# KiCad board oibus-mini-CCC_PANEL.kicad_pcb (continued)
## Routing (per net, layer and track width the routed paths; a pad name or vN(x,y) marks a point on that pad's centre or on a via; arc(x,y) is an arc through that point)
+3V3: length 8055.1
  Top w0.15: U6#2.5 42.2,19.76 41.85,19.41 41.84,19.42 C10#2.2 38.2,18.11 38.9,17.41 43.01,17.41 44.61,19.01 ; U6#4.5 116.2,19.76 115.85,19.41 115.84,19.42 C10#4.2 112.2,18.11 112.9,17.41 117.01,17.41 118.61,19.01 ; U6#3.5 79.2,19.76 78.85,19.41 78.84,19.42 C10#3.2 75.2,18.11 75.9,17.41 80.01,17.41 81.61,19.01 ; U6#5.5 153.2,19.76 152.85,19.41 152.84,19.42 C10#6.2 149.2,18.11 149.9,17.41 154.01,17.41 155.61,19.01 ; U6#6.5 190.2,19.76 189.85,19.41 189.84,19.42 C10#5.2 186.2,18.11 186.9,17.41 191.01,17.41 192.61,19.01 ; U6#8.5 264.2,19.76 263.85,19.41 263.84,19.42 C10#8.2 260.2,18.11 260.9,17.41 265.01,17.41 266.61,19.01 ; U6#7.5 227.2,19.76 226.85,19.41 226.84,19.42 C10#7.2 223.2,18.11 223.9,17.41 228.01,17.41 229.61,19.01 ; U6#9.5 79.2,85.76 78.85,85.41 78.84,85.42 C10#12.2 75.2,84.11 75.9,83.41 80.01,83.41 81.61,85.01 ; U6#12.5 42.2,85.76 41.85,85.41 41.84,85.42 C10#13.2 38.2,84.11 38.9,83.41 43.01,83.41 44.61,85.01 ; U6#10.5 5.2,85.76 4.85,85.41 4.84,85.42 C10#9.2 1.2,84.11 1.9,83.41 6.01,83.41 7.61,85.01 ; U6#11.5 116.2,85.76 115.85,85.41 115.84,85.42 C10#11.2 112.2,84.11 112.9,83.41 117.01,83.41 118.61,85.01 ; U6#14.5 190.2,85.76 189.85,85.41 189.84,85.42 C10#14.2 186.2,84.11 186.9,83.41 191.01,83.41 192.61,85.01 ; U6#13.5 153.2,85.76 152.85,85.41 152.84,85.42 C10#10.2 149.2,84.11 149.9,83.41 154.01,83.41 155.61,85.01 ; U6#16.5 264.2,85.76 263.85,85.41 263.84,85.42 C10#16.2 260.2,84.11 260.9,83.41 265.01,83.41 266.61,85.01 ; U6#15.5 227.2,85.76 226.85,85.41 226.84,85.42 C10#15.2 223.2,84.11 223.9,83.41 228.01,83.41 229.61,85.01 ; U6#28.5 42.2,217.76 41.85,217.41 41.84,217.42 C10#29.2 38.2,216.11 38.9,215.41 43.01,215.41 44.61,217.01 ; U6#24.5 5.2,217.76 4.85,217.41 4.84,217.42 C10#24.2 1.2,216.11 1.9,215.41 6.01,215.41 7.61,217.01 ; U6#23.5 79.2,217.76 78.85,217.41 78.84,217.42 C10#28.2 75.2,216.11 75.9,215.41 80.01,215.41 81.61,217.01 ; U6#27.5 116.2,217.76 115.85,217.41 115.84,217.42 C10#27.2 112.2,216.11 112.9,215.41 117.01,215.41 118.61,217.01 ; U6#29.5 153.2,217.76 152.85,217.41 152.84,217.42 C10#26.2 149.2,216.11 149.9,215.41 154.01,215.41 155.61,217.01 ; U6#30.5 190.2,217.76 189.85,217.41 189.84,217.42 C10#30.2 186.2,216.11 186.9,215.41 191.01,215.41 192.61,217.01 ; U6#17.5 79.2,151.76 78.85,151.41 78.84,151.42 C10#20.2 75.2,150.11 75.9,149.41 80.01,149.41 81.61,151.01 ; U6#20.5 42.2,151.76 41.85,151.41 41.84,151.42 C10#21.2 38.2,150.11 38.9,149.41 43.01,149.41 44.61,151.01 ; U6#18.5 5.2,151.76 4.85,151.41 4.84,151.42 C10#17.2 1.2,150.11 1.9,149.41 6.01,149.41 7.61,151.01 ; U6#19.5 116.2,151.76 115.85,151.41 115.84,151.42 C10#19.2 112.2,150.11 112.9,149.41 117.01,149.41 118.61,151.01 ; U6#22.5 190.2,151.76 189.85,151.41 189.84,151.42 C10#22.2 186.2,150.11 186.9,149.41 191.01,149.41 192.61,151.01 ; U6#21.5 153.2,151.76 152.85,151.41 152.84,151.42 C10#18.2 149.2,150.11 149.9,149.41 154.01,149.41 155.61,151.01 ; U6#26.5 264.2,151.76 263.85,151.41 263.84,151.42 C10#25.2 260.2,150.11 260.9,149.41 265.01,149.41 266.61,151.01 ; U6#25.5 227.2,151.76 226.85,151.41 226.84,151.42 C10#23.2 223.2,150.11 223.9,149.41 228.01,149.41 229.61,151.01 ; U6#32.5 264.2,217.76 263.85,217.41 263.84,217.42 C10#32.2 260.2,216.11 260.9,215.41 265.01,215.41 266.61,217.01 ; U6#31.5 227.2,217.76 226.85,217.41 226.84,217.42 C10#31.2 223.2,216.11 223.9,215.41 228.01,215.41 229.61,217.01 ; 7.61,19.01 6.01,17.41 1.9,17.41 1.2,18.11 C10.2 4.84,19.42 4.85,19.41 5.2,19.76 U6.5
  Top w0.2: U8#2.24 60.39,41.82 59.9,42.31 59,42.31 58.4,41.71 58.4,40.9 C20#2.2 57.55,39.77 v2(57.55,38.11) ; D4#2.2 46.1,58.57 v2(46.1,58.81) ; v2(58.62,32.86) 58.62,32.43 57.8,31.61 56.83,31.61 C19#2.2 56.6,32.21 57.06,32.67 57.07,32.67 57.38,32.97 57.38,32.98 58.15,33.76 U8#2.36 ; C15#2.2 65.42,26.68 67.27,26.68 67.37,26.78 U7#2.3 ; v2(65.9,29.01) 66.1,28.81 67.2,28.81 67.59,29.2 C21#2.2 67.13,30.47 ; 67.13,30.47 66.85,30.47 65.89,31.43 U8#2.48 ; 67.13,30.47 67.13,30.83 v2(67.15,30.86) ; v2(68.1,32.21) 68.3,32.41 68.3,33.51 68.05,33.76 U8#2.1 ; D4#4.2 120.1,58.57 v2(120.1,58.81) ; U8#4.24 97.39,41.82 96.9,42.31 96,42.31 95.4,41.71 95.4,40.9 C20#4.2 94.55,39.77 v2(94.55,38.11) ; D4#3.2 83.1,58.57 v2(83.1,58.81) ; v2(95.62,32.86) 95.62,32.43 94.8,31.61 93.83,31.61 C19#4.2 93.6,32.21 94.06,32.67 94.07,32.67 94.38,32.97 94.38,32.98 95.15,33.76 U8#4.36 ; C15#4.2 102.42,26.68 104.27,26.68 104.37,26.78 U7#4.3 ; v2(132.62,32.86) 132.62,32.43 131.8,31.61 130.82,31.61 C19#3.2 130.6,32.21 131.06,32.67 131.07,32.67 131.38,32.97 131.38,32.98 132.15,33.76 U8#3.36 ; v2(102.9,29.01) 103.1,28.81 104.2,28.81 104.59,29.2 C21#4.2 104.13,30.47 ; 104.13,30.47 103.85,30.47 102.89,31.43 U8#4.48 ; 104.13,30.47 104.13,30.83 v2(104.15,30.86) ; v2(105.1,32.21) 105.3,32.41 105.3,33.51 105.05,33.76 U8#4.1 ; U8#3.24 134.39,41.82 133.9,42.31 133,42.31 132.4,41.71 132.4,40.9 C20#3.2 131.55,39.77 v2(131.55,38.11) ; 141.13,30.47 140.85,30.47 139.89,31.43 U8#3.48 ; 141.13,30.47 C21#3.2 141.59,29.2 141.2,28.81 140.1,28.81 v2(139.9,29.01) ; 141.13,30.47 141.13,30.83 v2(141.15,30.86) ; C15#3.2 139.42,26.68 141.27,26.68 141.37,26.78 U7#3.3 ; v2(142.1,32.21) 142.3,32.41 142.3,33.51 142.05,33.76 U8#3.1 ; v2(169.62,32.86) 169.62,32.43 168.8,31.61 167.82,31.61 C19#6.2 167.6,32.21 168.06,32.67 168.07,32.67 168.38,32.97 168.38,32.98 169.15,33.76 U8#6.36 ; D4#6.2 157.1,58.57 v2(157.1,58.81) ; D4#5.2 194.1,58.57 v2(194.1,58.81) ; U8#6.24 171.39,41.82 170.9,42.31 170,42.31 169.4,41.71 169.4,40.9 C20#6.2 168.55,39.77 v2(168.55,38.11) ; U7#6.3 178.37,26.78 178.27,26.68 176.42,26.68 C15#6.2 ; U8#6.48 176.89,31.43 177.85,30.47 178.13,30.47 ; 178.13,30.47 C21#6.2 178.59,29.2 178.2,28.81 177.1,28.81 v2(176.9,29.01) ; 178.13,30.47 178.13,30.83 v2(178.15,30.86) ; v2(179.1,32.21) 179.3,32.41 179.3,33.51 179.05,33.76 U8#6.1 ; U8#5.24 208.39,41.82 207.9,42.31 207,42.31 206.4,41.71 206.4,40.9 C20#5.2 205.55,39.77 v2(205.55,38.11) ; 215.13,30.47 214.85,30.47 213.89,31.43 U8#5.48 ; 215.13,30.47 C21#5.2 215.59,29.2 215.2,28.81 214.1,28.81 v2(213.9,29.01) ; 215.13,30.47 215.13,30.83 v2(215.15,30.86) ; v2(206.62,32.86) 206.62,32.43 205.8,31.61 204.82,31.61 C19#5.2 204.6,32.21 205.06,32.67 205.07,32.67 205.38,32.97 205.38,32.98 206.15,33.76 U8#5.36 ; v2(216.1,32.21) 216.3,32.41 216.3,33.51 216.05,33.76 U8#5.1 ; C15#5.2 213.42,26.68 215.27,26.68 215.37,26.78 U7#5.3 ; D4#8.2 268.1,58.57 v2(268.1,58.81) ; U8#7.24 245.39,41.82 244.9,42.31 244,42.31 243.4,41.71 243.4,40.9 C20#8.2 242.55,39.77 v2(242.55,38.11) ; U8#7.36 243.15,33.76 242.38,32.98 242.38,32.97 242.07,32.67 242.06,32.67 241.6,32.21 C19#7.2 241.82,31.61 242.8,31.61 243.62,32.43 v2(243.62,32.86) ; D4#7.2 231.1,58.57 v2(231.1,58.81) ; v2(280.62,32.86) 280.62,32.43 279.8,31.61 278.82,31.61 C19#8.2 278.6,32.21 279.06,32.67 279.07,32.67 279.38,32.97 279.38,32.98 280.15,33.76 U8#8.36 ; v2(250.9,29.01) 251.1,28.81 252.2,28.81 252.59,29.2 C21#7.2 252.13,30.47 ; 252.13,30.47 251.85,30.47 250.89,31.43 U8#7.48 ; 252.13,30.47 252.13,30.83 v2(252.15,30.86) ; 289.13,30.47 288.85,30.47 287.89,31.43 U8#8.48 ; 289.13,30.47 C21#8.2 289.59,29.2 289.2,28.81 288.1,28.81 v2(287.9,29.01) ; 289.13,30.47 289.13,30.83 v2(289.15,30.86) ; U8#8.24 282.39,41.82 281.9,42.31 281,42.31 280.4,41.71 280.4,40.9 C20#7.2 279.55,39.77 v2(279.55,38.11) ; v2(253.1,32.21) 253.3,32.41 253.3,33.51 253.05,33.76 U8#7.1 ; U7#8.3 252.37,26.78 252.27,26.68 250.42,26.68 C15#7.2 ; v2(290.1,32.21) 290.3,32.41 290.3,33.51 290.05,33.76 U8#8.1 ; C15#8.2 287.42,26.68 289.27,26.68 289.37,26.78 U7#7.3 ; v2(95.62,98.86) 95.62,98.43 94.8,97.61 93.83,97.61 C19#14.2 93.6,98.21 94.06,98.67 94.07,98.67 94.38,98.97 94.38,98.98 95.15,99.76 U8#13.36 ; D4#13.2 83.1,124.57 v2(83.1,124.81) ; D4#12.2 46.1,124.57 v2(46.1,124.81) ; U8#11.24 23.39,107.82 22.9,108.31 22,108.31 21.4,107.71 21.4,106.9 C20#10.2 20.55,105.77 v2(20.55,104.11) ; D4#9.2 9.1,124.57 v2(9.1,124.81) ; v2(21.62,98.86) 21.62,98.43 20.8,97.61 19.82,97.61 C19#11.2 19.6,98.21 20.06,98.67 20.07,98.67 20.38,98.97 20.38,98.98 21.15,99.76 U8#11.36 ; C15#11.2 28.42,92.68 30.27,92.68 30.37,92.78 U7#10.3 ; v2(58.62,98.86) 58.62,98.43 57.8,97.61 56.83,97.61 C19#9.2 56.6,98.21 57.06,98.67 57.07,98.67 57.38,98.97 57.38,98.98 58.15,99.76 U8#9.36 ; v2(28.9,95.01) 29.1,94.81 30.2,94.81 30.59,95.2 C21#11.2 30.13,96.47 ; 30.13,96.47 29.85,96.47 28.89,97.43 U8#11.48 ; 30.13,96.47 30.13,96.83 v2(30.15,96.86) ; v2(31.1,98.21) 31.3,98.41 31.3,99.51 31.05,99.76 U8#11.1 ; D4#11.2 120.1,124.57 v2(120.1,124.81) ; U8#13.24 97.39,107.82 96.9,108.31 96,108.31 95.4,107.71 95.4,106.9 C20#14.2 94.55,105.77 v2(94.55,104.11) ; U8#9.24 60.39,107.82 59.9,108.31 59,108.31 58.4,107.71 58.4,106.9 C20#9.2 57.55,105.77 v2(57.55,104.11) ; U7#14.3 104.37,92.78 104.27,92.68 102.42,92.68 C15#13.2 ; U8#13.48 102.89,97.43 103.85,96.47 104.13,96.47 ; 104.13,96.47 C21#13.2 104.59,95.2 104.2,94.81 103.1,94.81 v2(102.9,95.01) ; 104.13,96.47 104.13,96.83 v2(104.15,96.86) ; v2(105.1,98.21) 105.3,98.41 105.3,99.51 105.05,99.76 U8#13.1 ; U8#10.24 134.39,107.82 133.9,108.31 133,108.31 132.4,107.71 132.4,106.9 C20#13.2 131.55,105.77 v2(131.55,104.11) ; 141.13,96.47 140.85,96.47 139.89,97.43 U8#10.48 ; 141.13,96.47 C21#10.2 141.59,95.2 141.2,94.81 140.1,94.81 v2(139.9,95.01) ; 141.13,96.47 141.13,96.83 v2(141.15,96.86) ; v2(132.62,98.86) 132.62,98.43 131.8,97.61 130.82,97.61 C19#10.2 130.6,98.21 131.06,98.67 131.07,98.67 131.38,98.97 131.38,98.98 132.15,99.76 U8#10.36 ; 67.13,96.47 66.85,96.47 65.89,97.43 U8#9.48 ; 67.13,96.47 C21#9.2 67.59,95.2 67.2,94.81 66.1,94.81 v2(65.9,95.01) ; 67.13,96.47 67.13,96.83 v2(67.15,96.86) ; C15#9.2 65.42,92.68 67.27,92.68 67.37,92.78 U7#9.3 ; v2(68.1,98.21) 68.3,98.41 68.3,99.51 68.05,99.76 U8#9.1 ; v2(142.1,98.21) 142.3,98.41 142.3,99.51 142.05,99.76 U8#10.1 ; C15#10.2 139.42,92.68 141.27,92.68 141.37,92.78 U7#13.3 ; D4#14.2 194.1,124.57 v2(194.1,124.81) ; U8#12.24 171.39,107.82 170.9,108.31 170,108.31 169.4,107.71 169.4,106.9 C20#12.2 168.55,105.77 v2(168.55,104.11) ; U8#12.36 169.15,99.76 168.38,98.98 168.38,98.97 168.07,98.67 168.06,98.67 167.6,98.21 C19#12.2 167.82,97.61 168.8,97.61 169.62,98.43 v2(169.62,98.86) ; D4#10.2 157.1,124.57 v2(157.1,124.81) ; v2(206.62,98.86) 206.62,98.43 205.8,97.61 204.82,97.61 C19#13.2 204.6,98.21 205.06,98.67 205.07,98.67 205.38,98.97 205.38,98.98 206.15,99.76 U8#14.36 ; v2(176.9,95.01) 177.1,94.81 178.2,94.81 178.59,95.2 C21#12.2 178.13,96.47 ; 178.13,96.47 177.85,96.47 176.89,97.43 U8#12.48 ; 178.13,96.47 178.13,96.83 v2(178.15,96.86) ; 215.13,96.47 214.85,96.47 213.89,97.43 U8#14.48 ; 215.13,96.47 C21#14.2 215.59,95.2 215.2,94.81 214.1,94.81 v2(213.9,95.01) ; 215.13,96.47 215.13,96.83 v2(215.15,96.86) ; U8#14.24 208.39,107.82 207.9,108.31 207,108.31 206.4,107.71 206.4,106.9 C20#11.2 205.55,105.77 v2(205.55,104.11) ; v2(179.1,98.21) 179.3,98.41 179.3,99.51 179.05,99.76 U8#12.1 ; U7#12.3 178.37,92.78 178.27,92.68 176.42,92.68 C15#12.2 ; v2(216.1,98.21) 216.3,98.41 216.3,99.51 216.05,99.76 U8#14.1 ; C15#14.2 213.42,92.68 215.27,92.68 215.37,92.78 U7#11.3 ; D4#16.2 268.1,124.57 v2(268.1,124.81) ; U8#15.24 245.39,107.82 244.9,108.31 244,108.31 243.4,107.71 243.4,106.9 C20#16.2 242.55,105.77 v2(242.55,104.11) ; U8#16.24 282.39,107.82 281.9,108.31 281,108.31 280.4,107.71 280.4,106.9 C20#15.2 279.55,105.77 v2(279.55,104.11) ; 289.13,96.47 288.85,96.47 287.89,97.43 U8#16.48 ; 289.13,96.47 C21#16.2 289.59,95.2 289.2,94.81 288.1,94.81 v2(287.9,95.01) ; 289.13,96.47 289.13,96.83 v2(289.15,96.86) ; 252.13,96.47 251.85,96.47 250.89,97.43 U8#15.48 ; 252.13,96.47 C21#15.2 252.59,95.2 252.2,94.81 251.1,94.81 v2(250.9,95.01) ; 252.13,96.47 252.13,96.83 v2(252.15,96.86) ; v2(280.62,98.86) 280.62,98.43 279.8,97.61 278.82,97.61 C19#16.2 278.6,98.21 279.06,98.67 279.07,98.67 279.38,98.97 279.38,98.98 280.15,99.76 U8#16.36 ; U8#15.36 243.15,99.76 242.38,98.98 242.38,98.97 242.07,98.67 242.06,98.67 241.6,98.21 C19#15.2 241.82,97.61 242.8,97.61 243.62,98.43 v2(243.62,98.86) ; D4#15.2 231.1,124.57 v2(231.1,124.81) ; C15#16.2 287.42,92.68 289.27,92.68 289.37,92.78 U7#15.3 ; v2(290.1,98.21) 290.3,98.41 290.3,99.51 290.05,99.76 U8#16.1 ; U7#16.3 252.37,92.78 252.27,92.68 250.42,92.68 C15#15.2 ; v2(253.1,98.21) 253.3,98.41 253.3,99.51 253.05,99.76 U8#15.1 ; v2(58.62,230.86) 58.62,230.43 57.8,229.61 56.83,229.61 56.6,229.83 56.6,230.21 57.06,230.67 57.07,230.67 57.38,230.97 57.38,230.98 58.15,231.76 U8#21.36 ; v2(20.55,236.11) 20.55,237.77 C20#24.2 21.4,238.9 21.4,239.71 22,240.31 22.9,240.31 23.39,239.82 U8#25.24 ; C15#25.2 28.42,224.68 30.27,224.68 30.37,224.78 U7#24.3 ; U8#25.36 21.15,231.76 20.38,230.98 20.38,230.97 20.07,230.67 20.06,230.67 19.6,230.21 19.6,229.83 19.82,229.61 20.8,229.61 21.62,230.43 v2(21.62,230.86) ; D4#29.2 83.1,256.57 v2(83.1,256.81) ; D4#28.2 46.1,256.57 v2(46.1,256.81) ; D4#23.2 9.1,256.57 v2(9.1,256.81) ; v2(95.62,230.86) 95.62,230.43 94.8,229.61 93.83,229.61 93.6,229.83 93.6,230.21 94.06,230.67 94.07,230.67 94.38,230.97 94.38,230.98 95.15,231.76 U8#29.36 ; U8#25.48 28.89,229.43 29.85,228.47 30.13,228.47 ; 30.13,228.47 C21#25.2 30.59,227.2 30.2,226.81 29.1,226.81 v2(28.9,227.01) ; 30.13,228.47 30.13,228.83 v2(30.15,228.86) ; v2(31.1,230.21) 31.3,230.41 31.3,231.51 31.05,231.76 U8#25.1 ; U8#29.48 102.89,229.43 103.85,228.47 104.13,228.47 ; 104.13,228.47 C21#29.2 104.59,227.2 104.2,226.81 103.1,226.81 v2(102.9,227.01) ; 104.13,228.47 104.13,228.83 v2(104.15,228.86) ; v2(105.1,230.21) 105.3,230.41 105.3,231.51 105.05,231.76 U8#29.1 ; U8#21.24 60.39,239.82 59.9,240.31 59,240.31 58.4,239.71 58.4,238.9 C20#21.2 57.55,237.77 v2(57.55,236.11) ; U7#30.3 104.37,224.78 104.27,224.68 102.42,224.68 C15#29.2 ; D4#27.2 120.1,256.57 v2(120.1,256.81) ; U8#29.24 97.39,239.82 96.9,240.31 96,240.31 95.4,239.71 95.4,238.9 C20#30.2 94.55,237.77 v2(94.55,236.11) ; v2(65.9,227.01) 66.1,226.81 67.2,226.81 67.59,227.2 C21#21.2 67.13,228.47 ; 67.13,228.47 66.85,228.47 65.89,229.43 U8#21.48 ; 67.13,228.47 67.13,228.83 v2(67.15,228.86) ; v2(132.62,230.86) 132.62,230.43 131.8,229.61 130.82,229.61 130.6,229.83 130.6,230.21 131.06,230.67 131.07,230.67 131.38,230.97 131.38,230.98 132.15,231.76 U8#24.36 ; 141.13,228.47 140.85,228.47 139.89,229.43 U8#24.48 ; 141.13,228.47 C21#24.2 141.59,227.2 141.2,226.81 140.1,226.81 v2(139.9,227.01) ; 141.13,228.47 141.13,228.83 v2(141.15,228.86) ; U8#24.24 134.39,239.82 133.9,240.31 133,240.31 132.4,239.71 132.4,238.9 C20#29.2 131.55,237.77 v2(131.55,236.11) ; v2(68.1,230.21) 68.3,230.41 68.3,231.51 68.05,231.76 U8#21.1 ; U7#23.3 67.37,224.78 67.27,224.68 65.42,224.68 C15#21.2 ; v2(142.1,230.21) 142.3,230.41 142.3,231.51 142.05,231.76 U8#24.1 ; C15#24.2 139.42,224.68 141.27,224.68 141.37,224.78 U7#29.3 ; U8#28.36 169.15,231.76 168.38,230.98 168.38,230.97 168.07,230.67 168.06,230.67 167.6,230.21 167.6,229.83 167.82,229.61 168.8,229.61 169.62,230.43 v2(169.62,230.86) ; D4#26.2 157.1,256.57 v2(157.1,256.81) ; D4#30.2 194.1,256.57 v2(194.1,256.81) ; U8#28.24 171.39,239.82 170.9,240.31 170,240.31 169.4,239.71 169.4,238.9 C20#28.2 168.55,237.77 v2(168.55,236.11) ; U8#28.48 176.89,229.43 177.85,228.47 178.13,228.47 ; 178.13,228.47 C21#28.2 178.59,227.2 178.2,226.81 177.1,226.81 v2(176.9,227.01) ; 178.13,228.47 178.13,228.83 v2(178.15,228.86) ; v2(179.1,230.21) 179.3,230.41 179.3,231.51 179.05,231.76 U8#28.1 ; U8#30.24 208.39,239.82 207.9,240.31 207,240.31 206.4,239.71 206.4,238.9 C20#27.2 205.55,237.77 v2(205.55,236.11) ; 215.13,228.47 214.85,228.47 213.89,229.43 U8#30.48 ; 215.13,228.47 C21#30.2 215.59,227.2 215.2,226.81 214.1,226.81 v2(213.9,227.01) ; 215.13,228.47 215.13,228.83 v2(215.15,228.86) ; v2(206.62,230.86) 206.62,230.43 205.8,229.61 204.82,229.61 204.6,229.83 204.6,230.21 205.06,230.67 205.07,230.67 205.38,230.97 205.38,230.98 206.15,231.76 U8#30.36 ; v2(95.62,164.86) 95.62,164.43 94.8,163.61 93.83,163.61 93.6,163.83 93.6,164.21 94.06,164.67 94.07,164.67 94.38,164.97 94.38,164.98 95.15,165.76 U8#22.36 ; D4#21.2 83.1,190.57 v2(83.1,190.81) ; D4#20.2 46.1,190.57 v2(46.1,190.81) ; U8#19.24 23.39,173.82 22.9,174.31 22,174.31 21.4,173.71 21.4,172.9 C20#18.2 20.55,171.77 v2(20.55,170.11) ; D4#17.2 9.1,190.57 v2(9.1,190.81) ; v2(21.62,164.86) 21.62,164.43 20.8,163.61 19.82,163.61 19.6,163.83 19.6,164.21 20.06,164.67 20.07,164.67 20.38,164.97 20.38,164.98 21.15,165.76 U8#19.36 ; C15#19.2 28.42,158.68 30.27,158.68 30.37,158.78 U7#18.3 ; v2(58.62,164.86) 58.62,164.43 57.8,163.61 56.83,163.61 56.6,163.83 56.6,164.21 57.06,164.67 57.07,164.67 57.38,164.97 57.38,164.98 58.15,165.76 U8#17.36 ; v2(28.9,161.01) 29.1,160.81 30.2,160.81 30.59,161.2 C21#19.2 30.13,162.47 ; 30.13,162.47 29.85,162.47 28.89,163.43 U8#19.48 ; 30.13,162.47 30.13,162.83 v2(30.15,162.86) ; v2(31.1,164.21) 31.3,164.41 31.3,165.51 31.05,165.76 U8#19.1 ; D4#19.2 120.1,190.57 v2(120.1,190.81) ; U8#22.24 97.39,173.82 96.9,174.31 96,174.31 95.4,173.71 95.4,172.9 C20#23.2 94.55,171.77 v2(94.55,170.11) ; U8#17.24 60.39,173.82 59.9,174.31 59,174.31 58.4,173.71 58.4,172.9 C20#17.2 57.55,171.77 v2(57.55,170.11) ; U7#22.3 104.37,158.78 104.27,158.68 102.42,158.68 C15#22.2 ; U8#22.48 102.89,163.43 103.85,162.47 104.13,162.47 ; 104.13,162.47 C21#22.2 104.59,161.2 104.2,160.81 103.1,160.81 v2(102.9,161.01) ; 104.13,162.47 104.13,162.83 v2(104.15,162.86) ; v2(105.1,164.21) 105.3,164.41 105.3,165.51 105.05,165.76 U8#22.1 ; U8#18.24 134.39,173.82 133.9,174.31 133,174.31 132.4,173.71 132.4,172.9 C20#22.2 131.55,171.77 v2(131.55,170.11) ; 141.13,162.47 140.85,162.47 139.89,163.43 U8#18.48 ; 141.13,162.47 C21#18.2 141.59,161.2 141.2,160.81 140.1,160.81 v2(139.9,161.01) ; 141.13,162.47 141.13,162.83 v2(141.15,162.86) ; v2(132.62,164.86) 132.62,164.43 131.8,163.61 130.82,163.61 130.6,163.83 130.6,164.21 131.06,164.67 131.07,164.67 131.38,164.97 131.38,164.98 132.15,165.76 U8#18.36 ; 67.13,162.47 66.85,162.47 65.89,163.43 U8#17.48 ; 67.13,162.47 C21#17.2 67.59,161.2 67.2,160.81 66.1,160.81 v2(65.9,161.01) ; 67.13,162.47 67.13,162.83 v2(67.15,162.86) ; C15#17.2 65.42,158.68 67.27,158.68 67.37,158.78 U7#17.3 ; v2(68.1,164.21) 68.3,164.41 68.3,165.51 68.05,165.76 U8#17.1 ; v2(142.1,164.21) 142.3,164.41 142.3,165.51 142.05,165.76 U8#18.1 ; C15#18.2 139.42,158.68 141.27,158.68 141.37,158.78 U7#21.3 ; D4#22.2 194.1,190.57 v2(194.1,190.81) ; U8#20.24 171.39,173.82 170.9,174.31 170,174.31 169.4,173.71 169.4,172.9 C20#20.2 168.55,171.77 v2(168.55,170.11) ; U8#20.36 169.15,165.76 168.38,164.98 168.38,164.97 168.07,164.67 168.06,164.67 167.6,164.21 167.6,163.83 167.82,163.61 168.8,163.61 169.62,164.43 v2(169.62,164.86) ; D4#18.2 157.1,190.57 v2(157.1,190.81) ; v2(206.62,164.86) 206.62,164.43 205.8,163.61 204.82,163.61 204.6,163.83 204.6,164.21 205.06,164.67 205.07,164.67 205.38,164.97 205.38,164.98 206.15,165.76 U8#23.36 ; v2(176.9,161.01) 177.1,160.81 178.2,160.81 178.59,161.2 C21#20.2 178.13,162.47 ; 178.13,162.47 177.85,162.47 176.89,163.43 U8#20.48 ; 178.13,162.47 178.13,162.83 v2(178.15,162.86) ; 215.13,162.47 214.85,162.47 213.89,163.43 U8#23.48 ; 215.13,162.47 C21#23.2 215.59,161.2 215.2,160.81 214.1,160.81 v2(213.9,161.01) ; 215.13,162.47 215.13,162.83 v2(215.15,162.86) ; U8#23.24 208.39,173.82 207.9,174.31 207,174.31 206.4,173.71 206.4,172.9 C20#19.2 205.55,171.77 v2(205.55,170.11) ; v2(179.1,164.21) 179.3,164.41 179.3,165.51 179.05,165.76 U8#20.1 ; U7#20.3 178.37,158.78 178.27,158.68 176.42,158.68 C15#20.2 ; v2(216.1,164.21) 216.3,164.41 216.3,165.51 216.05,165.76 U8#23.1 ; C15#23.2 213.42,158.68 215.27,158.68 215.37,158.78 U7#19.3 ; D4#25.2 268.1,190.57 v2(268.1,190.81) ; U8#26.24 245.39,173.82 244.9,174.31 244,174.31 243.4,173.71 243.4,172.9 C20#26.2 242.55,171.77 v2(242.55,170.11) ; U8#27.24 282.39,173.82 281.9,174.31 281,174.31 280.4,173.71 280.4,172.9 C20#25.2 279.55,171.77 v2(279.55,170.11) ; 289.13,162.47 288.85,162.47 287.89,163.43 U8#27.48 ; 289.13,162.47 C21#27.2 289.59,161.2 289.2,160.81 288.1,160.81 v2(287.9,161.01) ; 289.13,162.47 289.13,162.83 v2(289.15,162.86) ; 252.13,162.47 251.85,162.47 250.89,163.43 U8#26.48 ; 252.13,162.47 C21#26.2 252.59,161.2 252.2,160.81 251.1,160.81 v2(250.9,161.01) ; 252.13,162.47 252.13,162.83 v2(252.15,162.86) ; v2(280.62,164.86) 280.62,164.43 279.8,163.61 278.82,163.61 278.6,163.83 278.6,164.21 279.06,164.67 279.07,164.67 279.38,164.97 279.38,164.98 280.15,165.76 U8#27.36 ; U8#26.36 243.15,165.76 242.38,164.98 242.38,164.97 242.07,164.67 242.06,164.67 241.6,164.21 241.6,163.83 241.82,163.61 242.8,163.61 243.62,164.43 v2(243.62,164.86) ; D4#24.2 231.1,190.57 v2(231.1,190.81) ; C15#27.2 287.42,158.68 289.27,158.68 289.37,158.78 U7#25.3 ; v2(290.1,164.21) 290.3,164.41 290.3,165.51 290.05,165.76 U8#27.1 ; U7#26.3 252.37,158.78 252.27,158.68 250.42,158.68 C15#26.2 ; v2(253.1,164.21) 253.3,164.41 253.3,165.51 253.05,165.76 U8#26.1 ; v2(216.1,230.21) 216.3,230.41 216.3,231.51 216.05,231.76 U8#30.1 ; C15#30.2 213.42,224.68 215.27,224.68 215.37,224.78 U7#27.3 ; U7#28.3 178.37,224.78 178.27,224.68 176.42,224.68 C15#28.2 ; U8#31.24 245.39,239.82 244.9,240.31 244,240.31 243.4,239.71 243.4,238.9 C20#32.2 242.55,237.77 v2(242.55,236.11) ; D4#32.2 268.1,256.57 v2(268.1,256.81) ; U8#31.36 243.15,231.76 242.38,230.98 242.38,230.97 242.07,230.67 242.06,230.67 241.6,230.21 241.6,229.83 241.82,229.61 242.8,229.61 243.62,230.43 v2(243.62,230.86) ; D4#31.2 231.1,256.57 v2(231.1,256.81) ; v2(280.62,230.86) 280.62,230.43 279.8,229.61 278.82,229.61 278.6,229.83 278.6,230.21 279.06,230.67 279.07,230.67 279.38,230.97 279.38,230.98 280.15,231.76 U8#32.36 ; v2(250.9,227.01) 251.1,226.81 252.2,226.81 252.59,227.2 C21#31.2 252.13,228.47 ; 289.13,228.47 288.85,228.47 287.89,229.43 U8#32.48 ; 289.13,228.47 C21#32.2 289.59,227.2 289.2,226.81 288.1,226.81 v2(287.9,227.01) ; 289.13,228.47 289.13,228.83 v2(289.15,228.86) ; 252.13,228.47 251.85,228.47 250.89,229.43 U8#31.48 ; 252.13,228.47 252.13,228.83 v2(252.15,228.86) ; U8#32.24 282.39,239.82 281.9,240.31 281,240.31 280.4,239.71 280.4,238.9 C20#31.2 279.55,237.77 v2(279.55,236.11) ; U7#31.3 289.37,224.78 289.27,224.68 287.42,224.68 C15#32.2 ; v2(253.1,230.21) 253.3,230.41 253.3,231.51 253.05,231.76 U8#31.1 ; U7#32.3 252.37,224.78 252.27,224.68 250.42,224.68 C15#31.2 ; v2(290.1,230.21) 290.3,230.41 290.3,231.51 290.05,231.76 U8#32.1 ; v2(9.1,58.81) 9.1,58.57 D4.2 ; 30.13,30.47 30.13,30.83 v2(30.15,30.86) ; 30.13,30.47 29.85,30.47 28.89,31.43 U8.48 ; 30.13,30.47 C21.2 30.59,29.2 30.2,28.81 29.1,28.81 v2(28.9,29.01) ; U8.36 21.15,33.76 20.38,32.98 20.38,32.97 20.07,32.67 20.06,32.67 19.6,32.21 C19.2 19.82,31.61 20.8,31.61 21.62,32.43 v2(21.62,32.86) ; U8.1 31.05,33.76 31.3,33.51 31.3,32.41 v2(31.1,32.21) ; C15.2 28.42,26.68 30.27,26.68 30.37,26.78 U7.3 ; U8.24 23.39,41.82 22.9,42.31 22,42.31 21.4,41.71 21.4,40.9 C20.2 20.55,39.77 v2(20.55,38.11)
  Top w0.25: R12#2.1 44.61,19.01 44.77,19.17 44.77,25.83 v4(44.6,26.01) ; R12#4.1 118.61,19.01 118.77,19.17 118.77,25.83 v4(118.6,26.01) ; R12#3.1 81.61,19.01 81.77,19.17 81.77,25.83 v4(81.6,26.01) ; R12#5.1 155.61,19.01 155.77,19.17 155.77,25.83 v4(155.6,26.01) ; R12#6.1 192.61,19.01 192.77,19.17 192.77,25.83 v4(192.6,26.01) ; R12#7.1 266.61,19.01 266.77,19.17 266.77,25.83 v4(266.6,26.01) ; R12#8.1 229.61,19.01 229.77,19.17 229.77,25.83 v4(229.6,26.01) ; R12#13.1 44.61,85.01 44.77,85.17 44.77,91.83 v4(44.6,92.01) ; R12#11.1 81.61,85.01 81.77,85.17 81.77,91.83 v4(81.6,92.01) ; R12#9.1 7.61,85.01 7.77,85.17 7.77,91.83 v4(7.6,92.01) ; R12#12.1 118.61,85.01 118.77,85.17 118.77,91.83 v4(118.6,92.01) ; R12#10.1 192.61,85.01 192.77,85.17 192.77,91.83 v4(192.6,92.01) ; R12#14.1 155.61,85.01 155.77,85.17 155.77,91.83 v4(155.6,92.01) ; v4(266.6,92.01) 266.77,91.83 266.77,85.17 266.61,85.01 R12#15.1 ; R12#16.1 229.61,85.01 229.77,85.17 229.77,91.83 v4(229.6,92.01) ; v4(81.6,224.01) 81.77,223.83 81.77,217.17 81.61,217.01 R12#27.1 ; v4(44.6,224.01) 44.77,223.83 44.77,217.17 44.61,217.01 R12#29.1 ; v4(7.6,224.01) 7.77,223.83 7.77,217.17 7.61,217.01 R12#23.1 ; R12#28.1 118.61,217.01 118.77,217.17 118.77,223.83 v4(118.6,224.01) ; v4(155.6,224.01) 155.77,223.83 155.77,217.17 155.61,217.01 R12#30.1 ; R12#26.1 192.61,217.01 192.77,217.17 192.77,223.83 v4(192.6,224.01) ; R12#21.1 44.61,151.01 44.77,151.17 44.77,157.83 v4(44.6,158.01) ; R12#19.1 81.61,151.01 81.77,151.17 81.77,157.83 v4(81.6,158.01) ; R12#17.1 7.61,151.01 7.77,151.17 7.77,157.83 v4(7.6,158.01) ; R12#20.1 118.61,151.01 118.77,151.17 118.77,157.83 v4(118.6,158.01) ; R12#18.1 192.61,151.01 192.77,151.17 192.77,157.83 v4(192.6,158.01) ; R12#22.1 155.61,151.01 155.77,151.17 155.77,157.83 v4(155.6,158.01) ; v4(266.6,158.01) 266.77,157.83 266.77,151.17 266.61,151.01 R12#24.1 ; R12#25.1 229.61,151.01 229.77,151.17 229.77,157.83 v4(229.6,158.01) ; v4(229.6,224.01) 229.77,223.83 229.77,217.17 229.61,217.01 R12#32.1 ; R12#31.1 266.61,217.01 266.77,217.17 266.77,223.83 v4(266.6,224.01) ; v4(7.6,26.01) 7.77,25.83 7.77,19.17 7.61,19.01 R12.1